# KiCad board 8851_HW-U1-VCU118_REV2-0_071417.kicad_pcb (continued)
## Routing (per net, layer and track width the routed paths; a pad name or vN(x,y) marks a point on that pad's centre or on a via; arc(x,y) is an arc through that point) (continued)
18.63,117.39 19.06,117.81 C866.2 19.44,117.81 19.69,117.56 v3(19.69,116.44) ; 122.79,152.09 v3(122.79,151.1) ; 6.42,157.91 6.42,157.27 v3(6.67,157.02) ; v3(161.69,27.5) 161.69,27.62 161.86,27.8 161.86,28.08 ; 93.03,111.05 93.24,111.05 v2(93.73,111.54) ; 51.25,49.36 51.25,48.73 51.94,48.04 v3(52.6,48.04) ; v2(121.3,70.71) 120.81,70.23 120.79,70.23 ; C1568.2 v3(150.75,40.92) ; 76.34,68.93 v1(76.73,69.33) ; 54.38,74.43 v3(54.38,73.78) ; 203.58,103.17 204.21,102.55 v3(204.21,101.78) ; C1395.2 150.62,118.09 v3(150.62,117.65) ; v3(9.15,117.59) 9,117.44 7.83,117.44 ; 73.97,48.76 v1(74.37,48.36) ; 77.12,68.15 v1(77.52,68.54) ; 78.7,91.17 v1(79.09,90.78) ; v3(145.08,109.65) 145.58,110.14 146.44,110.14 ; v2(75.12,121.23) 74.94,121.05 74.03,121.05 ; 11.61,156.13 v3(11.61,155.06) ; C7.2 v3(51.17,93.8) ; v1(152.32,72.2) 152.37,72.15 C1199.2 152.37,69.67 151.35,68.65 150.5,68.65 ; 222.82,38.55 223.67,38.55 223.77,38.64 225.31,38.64 v3(225.62,38.33) ; 148.97,58.2 v3(148.12,58.2) ; 20.37,156.13 v3(20.37,155) ; v3(23.36,168.95) 23.36,169.88 23.87,170.38 24.35,169.89 v3(24.35,168.95) ; v2(95.7,115.47) 95.27,115.05 C1282.2 ; C821.2 v3(10.49,139.5) ; R216.2 76.62,121.7 v2(77.09,121.23) ; 79.48,40.4 v1(79.88,40.79) ; 177.49,49.81 v3(177.49,50.5) ; C26.2 82.24,25.17 v3(82.24,24.73) ; v3(58.67,64.48) 58.08,63.89 58.08,62.72 ; 166,111.03 v3(164.45,111.03) ; 50.65,149.57 v3(50.65,148.58) ; 77.12,68.93 v1(77.52,69.33) ; 70.04,62.63 v1(69.64,62.24) ; 38.31,75 v3(37.5,75) ; 49.73,73.31 v3(50.58,73.31) ; v3(62.56,128.91) 62.56,129.83 62.21,130.17 62.13,130.17 61.73,129.77 v3(61.73,128.88) 61.58,129.03 v3(60.02,129.03) 60.02,130.17 ; MH3.1 129.25,24.73 ; MH3.1 126.6,23.7 ; MH3.1 125.57,21.05 ; MH3.1 129.25,17.37 ; MH3.1 126.6,18.4 ; v3(28.3,124.13) 29.51,124.13 29.92,124.54 29.46,125 v3(28.3,125) ; C522.2 v3(136.1,112.57) ; 12.69,117.82 v3(12.69,117.06) ; 126.04,152.09 v3(126.04,151.1) ; v3(124.82,107.22) 124.82,106.09 124.14,105.4 123.42,106.12 v3(123.42,107.22) ; 79.48,95.9 v1(79.88,96.29) ; 76.34,55.06 v1(76.73,55.45) ; 187.32,164.87 187.32,164.87 187.32,164.02 v3(187.03,163.73) ; 30.52,104.38 v3(30.52,103.65) ; v3(157.5,82.92) C908.2 v3(156.11,81.57) ; 70.82,55.06 v1(71.22,55.45) ; 79.48,41.18 v1(79.88,41.58) ; 70.04,76.51 v1(69.64,76.11) ; C1569.2 v3(150.75,43.92) ; C822.2 18.42,131.28 v6(18.41,131.27) ; v3(171.83,68.65) 172.14,68.34 C157.2 ; 214.56,52.72 214.56,53.02 v3(214.05,53.53) ; 164.06,94.73 v3(163.12,94.73) ; 70.04,34.88 v1(69.64,34.49) ; 22.55,137.39 v3(22.55,138.3) ; 141.1,20.81 v3(141.85,20.81) ; 148.97,61.15 v3(148.15,61.15) ; v3(202.64,55.42) 202.63,55.43 201.84,55.43 ; v3(13.58,170) 13.21,170.38 11.17,170.38 ; 50.72,146.75 v3(49.99,146.75) ; v3(38,143.48) 37.3,144.17 C82.2 ; 67.67,34.88 v1(67.28,34.49) ; 149.97,107.92 v3(151.25,107.92) ; C852.2 163.44,17.69 v3(162.95,18.19) ; v3(162.35,97.38) 162.4,97.43 162.4,98.14 ; v3(200.18,152.62) 200.43,152.88 200.43,153.45 ; Z96.2 v4(184.58,33.97) ; v3(149.01,120.94) 149.29,120.65 R1154.2 ; 67.67,90.38 v1(67.28,89.99) ; C116.2 34.51,136.68 v4(34.75,136.92) ; 73.97,34.88 v1(74.37,34.49) ; v5(46.2,48.22) 46.4,48.03 46.95,48.03 47.57,48.64 48.23,48.64 ; 79.48,82.02 v1(79.88,82.41) ; 199.79,158.49 v3(199.79,159.51) ; R134.2 v3(211.72,151.6) ; 148.97,57.17 v3(148.12,57.17) ; v1(152.32,59.11) 152.32,59.1 151.8,58.58 151.8,57.87 152.01,57.67 152.5,57.67 ; 145.98,107.92 v3(144.88,107.92) ; 7.05,139.29 v3(7.92,139.29) ; 49.03,149.57 v3(49.03,148.58) ; 108.55,99.42 v3(108.55,100.17) ; 134.18,103.59 134.18,104.77 v3(134.31,104.89) ; 25.87,171.1 27.98,171.1 ; 27.98,171.1 30.09,171.1 ; 27.98,171.1 26.43,169.56 ; v3(166.75,87.92) 166.75,86.91 167,86.66 167.75,87.41 v3(167.75,87.92) ; 53.25,75.42 v3(53.25,76.32) ; 14.76,167.52 v3(14.76,166.25) ; 126.62,30.81 126.62,30 v3(126.92,29.7) ; 47.96,136.17 47.34,136.17 v3(46.89,135.72) ; 53.25,74.43 v3(53.25,73.79) ; v3(116.73,103.23) 117.34,103.23 118.14,102.42 117.22,101.5 v3(116.75,101.5) ; 218.88,162.67 v3(218.88,161.9) ; v3(23.05,135.28) 22.62,134.84 22.35,134.84 ; R581.2 v3(136.09,113.82) ; 166,116.78 v3(164.64,116.78) ; 77.91,96.68 v1(78.3,97.08) ; 117.2,119.67 118.07,119.67 v3(118.1,119.7) ; R600.2 v3(142,113.82) ; v3(62.68,92.32) 61.91,92.32 C516.2 61.91,91.44 v3(62.68,91.44) ; C1246.2 91.5,106.33 v3(91.5,105.72) 91.77,105.99 92.25,105.99 ; 21.93,139.8 21.94,139.79 21.94,138.74 v6(21.56,138.36) ; C828.2 v3(12.9,139.5) ; 50.88,81.02 v3(50.88,80.05) ; v1(72,76.11) 72.4,76.51 ; C255.2 151.05,52.02 v1(152.32,50.75) ; 78.7,35.67 v1(79.09,35.28) ; v4(34.75,137.9) 34.65,137.8 C140.2 ; 77.12,40.4 v1(77.52,40.79) ; R1052.2 v3(50.83,122.12) ; 71.61,34.88 v1(71.22,34.49) ; 7.67,137.12 v3(8.56,137.12) ; 97.83,99.42 97.83,99.95 97.97,100.09 97.97,100.1 98.01,100.14 v3(98.01,100.19) ; 109.97,70.23 109.99,70.23 v2(110.47,70.71) ; 77.12,35.67 v1(77.52,35.28) ; 77.12,54.27 v1(77.52,54.66) ; v2(78.07,113.35) 78.16,113.44 78.16,114.18 ; 212.05,156.57 212.05,155.92 v3(211.87,155.74) ; R1141.2 83.88,114.07 v2(83.88,113.51) ; 77.12,41.18 v1(77.52,41.58) ; 216.05,156.57 v3(216.05,155.84) ; 119.54,152.09 v3(119.54,151.1) ; C1012.2 v3(121.94,155.7) ; 53.44,27.63 52.65,27.63 v3(52.61,27.59) ; C75.2 v3(56.27,137.63) ; 70.82,82.81 v1(71.22,83.2) ; C142.2 v3(30.11,132.55) ; C1643.2 v3(55.25,165.14) ; v3(162.57,53.84) 161.69,53.84 C1486.2 162.17,54.99 v3(162.57,54.99) ; v3(165.43,140.17) 166.19,140.17 ; v3(31.07,115.05) 31.25,114.88 31.25,114.17 ; 73.97,82.81 v1(74.37,83.2) ; v3(160.95,18.19) 160.32,17.57 160.32,17.22 ; v3(31.77,126.7) 32.25,127.18 32.25,127.5 ; C1203.2 164.87,86.02 v1(164.92,86.07) ; 77.12,63.42 v1(77.52,63.03) ; v3(139.83,106.62) 140.27,106.62 140.98,105.91 140.49,105.42 v3(139.84,105.42) ; C6.1 35.75,85.67 35.5,85.42 v3(35.5,85.05) 35.5,83.83 ; v2(120.31,56.93) 120.8,56.45 120.8,56.43 ; 176.56,56.61 v3(177.93,56.61) ; C40.2 v3(35.58,68.91) ; 73.97,90.38 v1(74.37,89.99) ; 75.55,48.76 v1(75.94,48.36) ; 158.65,99.13 v3(158.65,99.83) ; 77.12,77.3 v1(77.52,76.9) ; v1(72,48.36) 72.4,48.76 ; 40.22,94.05 v3(38.98,94.05) ; 9.18,157.91 v3(9.18,157.15) ; 131.41,152.09 v3(131.41,151.1) ; 72.4,68.93 v1(72.79,69.33) ; 30.77,82.29 v3(31.99,82.29) ; 71.61,62.63 v1(71.22,62.24) ; C11.1 v3(34.62,87.05) ; 226.87,103.13 v3(226.87,102.43) ; 123.04,163.87 v3(123.91,163.87) ; 143.39,18.27 v3(145.35,18.27) ; 141.1,21.79 v3(141.85,21.79) ; 77.12,49.55 v1(77.52,49.15) ; 73.97,68.93 v1(74.37,69.33) ; 73.19,55.06 v1(73.58,55.45) ; 77.12,95.9 v1(77.52,96.29) ; v1(72,89.99) 72.4,90.38 ; 92.83,99.42 92.83,100.08 v3(92.92,100.17) ; 110,167.67 v3(110,168.37) ; 76.34,41.18 v1(76.73,41.58) ; 61.4,23.64 v3(60.6,23.64) ; 79.48,63.42 v1(79.88,63.03) ; 121.16,152.09 v3(121.16,151.1) ; 220.63,162.79 v3(220.63,162.08) ; C1462.2 C160.2 150.38,46.42 v3(150.75,46.8) ; R69.2 v3(44.37,133.3) ; 107.02,99.42 v3(107.02,100.17) ; 167.5,69.66 v3(167.5,70.42) 167.5,71.32 167,71.82 166.38,71.19 v3(166.38,70.42) 166.38,69.78 167,69.16 167.5,69.66
  BOTTOM w0.5: J32.3 56.8,106.18 ; J32.3 54.25,106.18 ; J32.3 53.79,107.45 ; J32.3 55.53,105.72 ; J32.3 57.26,107.45 ; J32.3 56.8,108.73 ; J32.3 55.53,109.19 ; J31.3 16.43,96.98 ; J31.3 16.89,95.7 ; J31.3 15.15,97.44 ; J31.3 13.87,96.98 ; J31.3 13.41,95.7 ; J31.3 13.87,94.43 ; J31.3 16.43,94.43 ; J31.3 15.15,93.97 ; 59.25,94.43 J33.5 ; J33.5 59.25,96.98 ; J33.5 61.8,96.98 ; J33.5 62.26,95.7 ; J33.5 58.79,95.7 ; J33.5 60.53,97.44 ; 25.62,101.98 J30.2 ; J30.2 28.18,99.43 ; J30.2 28.18,101.98 ; J30.2 25.16,100.7 ; J30.2 28.64,100.7 ; J30.2 26.9,98.97 ; J30.2 25.62,99.43 ; J35.5 75.01,127.45 ; J35.5 71.54,127.45 ; J35.5 72,128.73 ; J35.5 74.55,128.73 ; J33.3 57.26,95.7 ; J33.3 54.25,96.98 ; J33.3 56.8,96.98 ; J33.3 55.53,97.44 ; J33.3 56.8,94.43 ; 189.45,26.72 190.13,26.72 190.7,27.29 ; 78.75,128.73 J34.3 ; J34.3 81.3,128.73 ; J34.3 78.29,127.45 ; J34.3 81.76,127.45 ; J34.2 81.3,133.73 ; J34.2 81.76,132.45 ; J34.2 78.29,132.45 ; J34.2 80.03,134.19 ; J34.2 78.75,133.73 ; 59.25,99.43 J33.4 ; J33.4 59.25,101.98 ; J33.4 58.79,100.7 ; J33.4 61.8,101.98 ; J33.4 62.26,100.7 ; J33.4 60.53,98.97 ; J33.4 61.8,99.43 ; 25.62,94.43 J30.3 ; J30.3 28.18,94.43 ; J30.3 25.62,96.98 ; J30.3 26.9,97.44 ; J30.3 25.16,95.7 ; J30.3 26.9,93.97 ; J30.3 28.18,96.98 ; J30.3 28.64,95.7 ; 30.16,100.7 J30.4 ; J30.4 31.9,98.97 ; J30.4 33.18,99.43 ; J30.4 30.62,101.98 ; J30.4 30.62,99.43 ; 54.25,111.18 J32.2 ; J32.2 57.26,112.45 ; J32.2 56.8,113.73 ; J32.2 55.53,110.72 ; J32.2 55.53,114.19 ; J32.2 54.25,113.73 ; J32.2 56.8,111.18 ; 18.41,100.7 J31.4 ; J31.4 18.87,99.43 ; J31.4 21.89,100.7 ; J31.4 21.43,99.43 ; J31.4 20.15,98.97 ; J31.4 18.87,101.98 ; J31.4 21.43,101.98 ; J33.2 56.8,99.43 ; J33.2 54.25,99.43 ; J33.2 54.25,101.98 ; J33.2 53.79,100.7 ; J33.2 57.26,100.7 ; J33.2 55.53,102.44 ; J33.2 56.8,101.98 ; J33.2 55.53,98.97 ; J35.2 69.55,133.73 ; J35.2 70.01,132.45 ; J35.2 68.28,134.19 ; 83.29,127.45 J34.5 ; J34.5 83.75,126.18 ; J34.5 85.03,125.72 ; J34.5 86.76,127.45 ; J34.5 86.3,126.18 ; J32.5 61.8,108.73 ; J32.5 58.79,107.45 ; J32.5 59.25,108.73 ; J32.5 60.53,109.19 ; J32.4 61.8,113.73 ; J32.4 58.79,112.45 ; J32.4 60.53,114.19 ; J32.4 60.53,110.72 ; J32.4 59.25,111.18 ; J32.4 59.25,113.73 ; J32.4 61.8,111.18 ; 13.87,99.43 J31.2 ; J31.2 16.43,101.98 ; J31.2 16.43,99.43 ; J31.2 16.89,100.7 ; J31.2 15.15,98.97 ; J34.4 85.03,134.19 ; J34.4 86.3,133.73 ; J34.4 86.76,132.45 ; J34.4 83.75,133.73 ; J34.4 83.29,132.45 ; J30.5 31.9,97.44 ; J30.5 30.62,96.98 ; J30.5 33.18,96.98 ; J30.5 31.9,93.97 ; J30.5 30.62,94.43 ; J30.5 30.16,95.7 ; J35.4 74.55,133.73 ; J35.4 71.54,132.45 ; J35.4 75.01,132.45 ; J35.4 72,133.73 ; J35.4 73.28,134.19 ; 18.87,94.43 J31.5 ; J31.5 20.15,97.44 ; J31.5 20.15,93.97 ; J31.5 21.43,96.98 ; J31.5 21.43,94.43 ; J31.5 21.89,95.7 ; J31.5 18.41,95.7 ; J31.5 18.87,96.98
  BOTTOM w0.75: 190.7,27.29 191.9,27.29 191.95,27.35 ; v3(191.95,27.72) 191.95,27.35 ; 191.95,27.35 v3(191.95,26.97)
  vias: v1(67.28,91.56) v1(67.28,81.63) v1(67.28,77.69) v1(67.28,67.75) v1(67.28,63.81) v1(67.28,53.88) v1(67.28,40) v1(67.28,36.06) v1(68.07,95.5) v1(68.07,91.56) v1(68.07,81.63) v1(68.07,77.69) v1(68.07,67.75) v1(68.07,63.81) v1(68.07,53.88) v1(68.07,49.94) v1(68.07,40) v1(68.07,36.06) v1(68.86,95.5) v1(68.86,91.56) v1(68.86,81.63) v1(68.86,77.69) v1(68.86,67.75) v1(68.86,63.81) v1(68.86,53.88) v1(68.86,49.94) v1(68.86,40) v1(68.86,36.06) v1(69.64,95.5) v1(69.64,91.56) v1(69.64,81.63) v1(69.64,77.69) v1(69.64,67.75) v1(69.64,63.81) v1(69.64,53.88) v1(69.64,49.94) v1(69.64,40) v1(69.64,36.06) v1(72.79,95.5) v1(72.79,81.63) v1(72.79,67.75) v1(72.79,53.88) v1(72.79,40) v1(73.58,95.5) v1(73.58,81.63) v1(73.58,77.69) v1(73.58,67.75) v1(73.58,63.81) v1(73.58,53.88) v1(73.58,40) v1(74.37,95.5) v1(74.37,91.56) v1(74.37,81.63) v1(74.37,77.69) v1(74.37,67.75) v1(74.37,63.81) v1(74.37,53.88) v1(74.37,49.94) v1(74.37,40) v1(74.37,36.06) v1(76.73,91.56) v1(76.73,77.69) v1(76.73,63.81) v1(76.73,49.94) v1(76.73,36.06) v1(77.52,95.5) v1(77.52,91.56) v1(77.52,81.63) v1(77.52,77.69) v1(77.52,67.75) v1(77.52,63.81) v1(77.52,53.88) v1(77.52,49.94) v1(77.52,40) v1(77.52,36.06) v1(78.3,95.5) v1(78.3,91.56) v1(78.3,81.63) v1(78.3,77.69) v1(78.3,67.75) v1(78.3,63.81) v1(78.3,53.88) v1(78.3,49.94) v1(78.3,40) v1(78.3,36.06) v1(79.09,95.5) v1(79.09,91.56) v1(79.09,81.63) v1(79.09,77.69) v1(79.09,67.75) v1(79.09,63.81) v1(79.09,53.88) v1(79.09,49.94) v1(79.09,40) v1(79.09,36.06) v1(79.88,95.5) v1(79.88,91.56) v1(79.88,81.63) v1(79.88,77.69) v1(79.88,67.75) v1(79.88,63.81) v1(79.88,53.88) v1(79.88,49.94) v1(79.88,40) v1(79.88,36.06) v1(80.67,40.79) v1(80.67,40) v1(80.67,36.85) v1(80.67,36.06) v1(152.32,91.58) v1(152.32,87.65) v1(152.32,77.71) v1(152.32,63.83) v1(152.32,59.9) v1(152.32,49.96) v1(152.32,46.02) v1(152.32,35.83) v1(152.32,31.9) v1(153.11,91.58) v1(153.11,87.65) v1(153.11,77.71) v1(153.11,73.77) v1(153.11,63.83) v1(153.11,59.9) v1(153.11,49.96) v1(153.11,46.02) v1(153.11,35.83) v1(153.11,31.9) v1(153.9,91.58) v1(153.9,87.65) v1(153.9,77.71) v1(153.9,73.77) v1(153.9,63.83) v1(153.9,59.9) v1(153.9,49.96) v1(153.9,46.02) v1(153.9,35.83) v1(153.9,31.9) v1(154.68,91.58) v1(154.68,87.65) v1(154.68,77.71) v1(154.68,73.77) v1(154.68,63.83) v1(154.68,59.9) v1(154.68,49.96) v1(154.68,46.02) v1(154.68,35.83) v1(154.68,31.9) v1(157.83,91.58) v1(157.83,87.65) v1(157.83,77.71) v1(157.83,73.77) v1(157.83,63.83) v1(157.83,59.9) v1(157.83,49.96) v1(157.83,46.02) v1(157.83,35.83) v1(157.83,31.9) v1(158.62,91.58) v1(158.62,87.65) v1(158.62,77.71) v1(158.62,73.77) v1(158.62,63.83) v1(158.62,59.9) v1(158.62,49.96) v1(158.62,46.02) v1(158.62,35.83) v1(158.62,31.9) v1(159.41,91.58) v1(159.41,77.71) v1(159.41,63.83) v1(159.41,49.96) v1(159.41,35.83) v1(161.77,87.65) v1(161.77,73.77) v1(161.77,59.9) v1(161.77,46.02) v1(161.77,31.9) v1(162.56,91.58) v1(162.56,87.65) v1(162.56,77.71) v1(162.56,73.77) v1(162.56,63.83) v1(162.56,59.9) v1(162.56,49.96) v1(162.56,46.02) v1(162.56,35.83) v1(162.56,31.9) v1(163.34,91.58) v1(163.34,87.65) v1(163.34,77.71) v1(163.34,73.77) v1(163.34,63.83) v1(163.34,59.9) v1(163.34,49.96) v1(163.34,46.02) v1(163.34,35.83) v1(163.34,31.9) v1(164.13,91.58) v1(164.13,87.65) v1(164.13,77.71) v1(164.13,73.77) v1(164.13,63.83) v1(164.13,59.9) v1(164.13,49.96) v1(164.13,46.02) v1(164.13,35.83) v1(164.13,31.9) v1(164.92,91.58) v1(164.92,87.65) v1(164.92,77.71) v1(164.92,73.77) v1(164.92,63.83) v1(164.92,59.9) v1(164.92,49.96) v1(164.92,46.02) v1(164.92,35.83) v1(164.92,31.9) v2(99.59,114.49) v2(145.23,141.95) v2(145.86,140.2) v2(145.86,139.2) v2(145.86,138.2) v2(146.36,140.2) v2(146.86,141.2) v2(146.86,140.2) v2(146.86,139.2) v2(146.86,138.2) v2(147.36,141.2) v2(147.36,140.2) v2(147.36,139.2) v2(147.36,138.2) v2(184.53,61.56) v2(184.53,61.06) v2(184.53,60.56) v2(184.53,60.06) v2(185.53,61.56) v2(185.53,61.06) v2(185.53,60.56) v2(185.53,60.06) v2(186.53,61.56) v2(186.53,61.06) v2(186.53,60.56) v2(186.53,60.06) v2(187.53,61.56) v2(187.53,61.06) v2(187.53,60.56) v2(187.53,60.06) v2(210.46,99.12) v2(210.44,88.82) v2(210.58,119.5) v2(210.58,109.25) v2(211.21,117.25) v2(211.21,116.25) v2(211.21,115.25) v2(211.21,107) v2(211.21,106) v2(211.21,105) v2(211.21,96.75) v2(211.21,95.75) v2(211.21,94.75) v2(211.21,86.5) v2(211.21,85.5) v2(211.21,84.5) v2(211.83,117.25) v2(211.83,107) v2(211.83,96.75) v2(211.83,86.5) v2(212.46,118.25) v2(212.46,117.25) v2(212.46,116.25) v2(212.46,115.25) v2(212.46,108) v2(212.46,107) v2(212.46,106) v2(212.46,105) v2(212.46,97.75) v2(212.46,96.75) v2(212.46,95.75) v2(212.46,94.75) v2(212.46,87.5) v2(212.46,86.5) v2(212.46,85.5) v2(212.46,84.5) v2(216.58,104.87) v2(216.58,102.37) v2(216.66,94.62) v2(216.68,84.37) v2(220.46,117) v2(220.46,110.75) v2(220.46,106.75) v2(220.46,100.5) v2(220.46,96.5) v2(220.46,90.25) v2(220.46,86.25) v2(220.46,80) v2(220.76,103.67) v2(221.08,113.87) v2(221.03,93.37) v2(221.08,83.12) v2(221.58,103.62) v2(221.71,117) v2(221.71,113.87) v2(221.71,110.75) v2(221.71,106.75) v2(221.71,100.5) v2(221.71,96.5) v2(221.68,93.37) v2(221.71,90.25) v2(221.71,86.25) v2(221.71,83.12) v2(221.71,80) v2(222.33,116.37) v2(222.33,115.12) v2(222.33,113.87) v2(222.33,112.62) v2(222.33,111.37) v2(222.33,106.12) v2(222.33,104.87) v2(222.33,103.62) v2(222.33,102.37) v2(222.33,101.12) v2(222.33,95.87) v2(222.33,94.62) v2(222.33,93.37) v2(222.33,92.12) v2(222.33,90.87) v2(222.33,85.62) v2(222.33,84.37) v2(222.33,83.12) v2(222.33,81.87) v2(222.33,80.62) v3(0.94,169.94) v3(0.94,167.44) v3(0.94,157.44) v3(0.94,154.94) v3(0.94,152.44) v3(0.94,149.94) v3(0.94,147.44) v3(0.94,144.94) v3(0.94,142.44) v3(0.94,139.94) v3(0.94,137.44) v3(0.94,134.94) v3(0.94,132.44) v3(0.94,129.94) v3(0.94,127.44) v3(0.94,124.94) v3(0.94,122.44) v3(0.94,119.94) v3(0.94,117.44) v3(0.94,114.94) v3(0.94,112.44) v3(0.94,109.94) v3(0.94,107.44) v3(0.94,104.94) v3(0.94,102.44) v3(0.94,99.94) v3(0.94,97.44) v3(0.94,94.94) v3(0.94,92.44) v3(0.94,89.94) v3(0.94,76.19) v3(0.94,62.44) v3(0.94,59.94) v3(0.94,57.44) v3(0.94,54.94) v3(0.94,52.44) v3(0.94,49.94) v3(0.94,47.44) v3(0.94,44.94) v3(0.94,42.44) v3(0.94,39.94) v3(0.94,37.44) v3(0.94,34.94) v3(0.94,32.44) v3(0.94,29.94) v3(0.94,27.44) v3(0.94,24.94) v3(0.94,22.44) v3(0.94,19.94) v3(0.94,17.44) v3(0.94,14.94) v3(0.94,12.44) v3(0.94,9.94) v3(0.94,7.44) v3(1.92,172.24) v3(2.29,5.34) v3(4.42,172.24) v3(4.79,5.34) v3(6.92,172.24) v3(6.92,163.02) v3(7.29,5.34) v3(9.42,172.24) v3(9.79,5.34) v3(11.92,172.24) v3(12.29,5.34) v3(13.84,12.3) v3(13.84,9.8) v3(13.84,7.3) v3(14.42,172.24) v3(15.15,67.47) v3(16.05,13.46) v3(16.65,67.47) v3(16.65,65.97) v3(16.92,172.24) v3(17.18,82.83) v3(17.18,81.52) v3(17.23,77.3) v3(17.25,80.25) v3(17.25,79.05) v3(18.55,13.46) v3(19.42,172.24) v3(21.05,13.46) v3(21.38,147.43) v3(21.38,146.55) v3(21.92,172.24) v3(22.08,100.18) v3(23.55,13.46) v3(24.42,172.24) v3(24.97,100.18) v3(25.25,130.43) v3(25.75,130.93) v3(26.05,13.46) v3(26.25,130.43) v3(28.55,13.46) v3(31.05,13.46) v3(31.25,109.2) v3(31.92,172.24) v3(33.55,13.46) v3(34.42,172.24) v3(34.83,88.35) v3(35.63,88.35) v3(36.92,172.24) v3(37.65,118.5) v3(38.57,61.57) v3(39,118.92) v3(39,118.17) v3(39.42,172.24) v3(39.95,61.57) v3(40.05,71.69) v3(40.05,69.96) v3(40.05,68.31) v3(40.05,57.05) v3(40.05,43.8) v3(40.05,31.88) v3(40.05,18.63) v3(40.93,57.05) v3(40.93,31.88) v3(41.18,43.8) v3(41.18,18.63) v3(41.42,71.69) v3(41.42,69.96) v3(41.42,68.31) v3(41.33,61.92) v3(41.93,57.05) v3(41.93,31.88) v3(42.3,43.8) v3(42.3,18.63) v3(42.99,13.44) v3(43.06,63.3) v3(43.06,61.92) v3(44.05,61.8) v3(44.3,113.08) v3(44.28,101.05) v3(44.25,99.39) v3(44.48,69) v3(44.88,114.33) v3(44.98,51.48) v3(45.28,101.05) v3(45.25,99.39) v3(45.41,134.73) v3(45.38,113.52) v3(45.77,114.6) v3(45.85,69) v3(46.15,135.22) v3(46.27,61.8) v3(46.92,172.24) v3(46.89,134.73) v3(47.05,116.9) v3(47.05,116.02) v3(47.79,61.73) v3(48.83,67.52) v3(49.42,172.24) v3(49.53,63.11) v3(49.53,61.73) v3(50.57,67.52) v3(50.57,66.14) v3(51.92,172.24) v3(54.42,172.24) v3(55.53,130.97) v3(55.53,129.99) v3(56.05,105.52) v3(56.05,102.64) v3(56.27,130.48) v3(56.92,172.24) v3(57.01,130.97) v3(57.01,129.99) v3(56.99,126.02) v3(56.99,124.9) v3(56.99,123.77) v3(58.23,14) v3(59.42,172.24) v3(60.93,87.39) v3(60.93,85.91) v3(61.18,14) v3(61.17,11.23) v3(61.17,8.27) v3(61.25,117.01) v3(61.92,172.24) v3(61.91,85.91) v3(62.18,17.74) v3(62.18,14) v3(64.42,172.24) v3(64.47,142.43) v3(65.13,17.74) v3(65.13,14) v3(66.09,11.23) v3(66.09,8.27) v3(66.48,20.99) v3(66.48,17.25) v3(66.92,172.24) v3(68.06,5.9) v3(68.42,142.24) v3(69,142.64) v3(69.42,172.24) v3(69.43,20.99) v3(69.43,17.25) v3(69.43,13.52) v3(70.03,11.23) v3(70.03,8.27) v3(70.03,5.9) v3(71.92,172.24) v3(72,5.9) v3(72.38,17.25) v3(72.38,13.52) v3(73.73,19.74) v3(73.73,16) v3(73.97,11.23) v3(73.97,8.27) v3(74.42,172.24) v3(76.68,19.74) v3(76.68,16) v3(76.92,172.24) v3(77.9,11.23) v3(77.9,8.27) v3(78.78,17.62) v3(78.78,13.88) v3(79.42,172.24) v3(81.74,17.62) v3(81.74,13.88) v3(81.92,172.24) v3(81.84,11.23) v3(81.84,8.27) v3(81.84,5.9) v3(82.24,23.73) v3(82.24,22.73) v3(82.24,21.73) v3(83.12,18.74) v3(83.12,15.33) v3(83.24,24.73) v3(83.24,23.73) v3(83.24,22.73) v3(83.24,21.73) v3(83.81,5.9) v3(84.24,24.73) v3(84.24,23.73) v3(84.24,22.73) v3(84.42,172.24) v3(85.24,23.73) v3(85.78,11.23) v3(85.78,8.27) v3(85.78,5.9) v3(86.07,18.74) v3(86.07,15.33) v3(86.92,172.24) v3(87.41,17.49) v3(87.41,13.75) v3(87.73,27.59) v3(87.75,5.9) v3(88.71,27.59) v3(89.42,172.24) v3(89.71,11.23) v3(89.71,8.27) v3(89.71,5.9) v3(90.36,17.49) v3(90.36,13.75) v3(91.69,19.31) v3(91.69,15.58) v3(91.92,172.24) v3(94.42,172.24) v3(94.64,19.31) v3(94.64,15.58) v3(94.64,11.23) v3(94.64,8.27) v3(96.11,19.31) v3(96.11,15.58) v3(96.92,172.24) v3(98.57,11.23) v3(98.57,8.27) v3(98.57,5.9) v3(99.07,19.31) v3(99.07,15.58) v3(99.19,32.36) v3(99.42,172.24) v3(100.05,17.74) v3(100.05,14) v3(100.26,32.37) v3(100.54,5.9) v3(101.62,32.42) v3(101.92,172.24) v3(102.51,11.23) v3(102.51,8.27) v3(102.51,5.9) v3(102.7,32.37) v3(103,17.74) v3(103,14) v3(103.97,101.29) v3(103.99,19.44) v3(103.99,15.7) v3(104.42,172.24) v3(104.48,5.9) v3(106.45,11.23) v3(106.45,8.27) v3(106.45,5.9) v3(106.92,172.24) v3(106.94,19.44) v3(106.94,15.7) v3(107.92,17.74) v3(107.92,14) v3(108.42,5.9) v3(109.42,172.24) v3(110.38,11.23) v3(110.38,8.27) v3(110.38,5.9) v3(110.88,17.74) v3(110.88,14) v3(111.92,172.24) v3(111.86,19.44) v3(111.86,15.7) v3(112.35,5.9) v3(114.32,11.23) v3(114.32,8.27) v3(114.32,5.9) v3(114.42,172.24) v3(114.81,19.44) v3(114.81,15.7) v3(115.8,17.74) v3(115.8,14) v3(116.29,5.9) v3(116.92,172.24) v3(118.26,11.23) v3(118.26,8.27) v3(118.26,5.9) v3(118.75,17.74) v3(118.75,14) v3(119.42,172.24) v3(120.23,5.9) v3(120.61,19.44) v3(120.61,15.7) v3(121.92,172.24) v3(122.19,11.23) v3(122.19,8.27) v3(122.19,5.9) v3(123.56,19.44) v3(123.56,15.7) v3(123.67,17.74) v3(123.67,14) v3(124.42,172.24) v3(126.63,17.74) v3(126.63,14) v3(126.92,172.24) v3(127.38,130.3) v3(127.38,129.22) v3(128.1,129.22) v3(128.82,129.22) v3(129.42,172.24) v3(131.92,172.24) v3(132.47,118.63) v3(132.47,117.88) v3(134.42,172.24) v3(135.1,110.95) v3(135.72,111.3) v3(135.7,110.6) v3(136.92,172.24) v3(137.32,28.68) v3(138.07,28.68) v3(138.26,27.88) v3(138.82,28.68) v3(139.42,172.24) v3(141.92,172.24) v3(143.54,102.48) v3(144.28,101.98) v3(144.42,172.24) v3(145.02,102.48) v3(145.02,101.49) v3(146.35,126.62) v3(146.55,127.35) v3(146.92,172.24) v3(147.6,126.84) v3(147.64,127.72) v3(149.42,172.24) v3(151.92,172.24) v3(153.8,117.72) v3(153.8,116.85) v3(154.1,118.83) v3(154.42,172.24) v3(154.85,119.96) v3(155.6,118.96) v3(155.97,119.96) v3(156.49,130.35) v3(156.92,172.24) v3(157.1,130.84) v3(158.62,100.92) v3(159.42,172.24) v3(159.38,100.92) v3(160.95,20.19) v3(160.95,19.19) v3(161.92,172.24) v3(161.92,116.97) v3(161.92,116.22) v3(161.92,115.35) v3(161.95,20.19) v3(161.95,19.19) v3(161.95,18.19) v3(163.3,111.1) v3(163.3,110.1) v3(164.42,172.24) v3(166.5,31.2) v3(166.92,172.24) v3(167.22,31.38) v3(167.57,52.8) v3(167.55,52.1) v3(168.5,62.3) v3(168.5,61.55) v3(168.5,60.8) v3(169.42,172.24) v3(171.92,172.24) v3(172.28,70.42) v3(172.28,69.3) v3(174.03,70.42) v3(174.03,69.3) v3(174.25,61.61) v3(174.25,60.74) v3(174.25,59.86) v3(174.42,172.24) v3(175.03,128.43) v3(176.03,128.43) v3(176.92,172.24) v3(179.42,172.24) v3(180.28,129.8) v3(181.16,129.8) v3(181.59,137.7) v3(181.92,172.24) v3(181.91,129.8) v3(182.37,20.56) v3(182.59,19.56) v3(182.59,18.56) v3(182.66,137.93) v3(182.9,30.68) v3(182.93,31.7) v3(183.37,20.56) v3(183.59,19.56) v3(183.59,18.56) v3(183.91,137.68) v3(184.03,136.18) v3(184.42,172.24) v3(184.57,19.52) v3(184.53,18.6) v3(185.03,136.93) v3(185.03,135.8) v3(186.92,172.24) v3(187.38,18.54) v3(188.26,18.54) v3(189.42,172.24) v3(190.35,54.15) v3(190.35,53.4) v3(191.22,68.08) v3(191.22,67.08) v3(191.22,66.08) v3(191.22,54.16) v3(191.22,53.41) v3(191.92,172.24) v3(192.38,151.18) v3(192.38,149.93) v3(193.62,151.18) v3(193.62,149.93) v3(194.42,172.24) v3(196.31,13.46) v3(196.92,172.24) v3(198.81,13.46) v3(199.42,172.24) v3(201.31,13.46) v3(201.72,63.05) v3(201.72,61.92) v3(201.92,172.24) v3(202.72,62.67) v3(202.84,61.17) v3(203.81,13.46) v3(204.09,60.92) v3(204.42,172.24) v3(204.97,60.92) v3(205.59,69.05) v3(206.31,13.46) v3(206.47,69.05) v3(206.92,172.24) v3(208.81,13.46) v3(209.42,172.24) v3(209.78,40.3) v3(210.72,70.42) v3(210.78,40.3) v3(211.31,13.46) v3(211.72,70.42) v3(211.92,172.24) v3(213.81,13.46) v3(214.42,172.24) v3(215.03,41.68) v3(215.91,41.68) v3(216.31,13.46) v3(216.53,49.8) v3(216.92,172.24) v3(217.41,49.8) v3(218.66,49.55) v3(218.72,48.67) v3(218.72,47.72) v3(218.81,13.46) v3(219.42,172.24) v3(219.78,47.47) v3(221.31,13.46) v3(221.92,172.24) v3(223.5,92.92) v3(223.5,92.05) v3(223.5,91.05) v3(223.81,13.46) v3(224.42,172.24) v3(224.5,92.92) v3(224.5,92.05) v3(224.5,91.05) v3(225.5,92.92) v3(225.5,92.05) v3(225.5,91.05) v3(226.31,13.46) v3(226.5,92.05) v3(226.5,91.05) v3(226.92,172.24) v3(228.81,13.46) v3(229.42,172.24) v3(231.22,54.8) v3(231.25,56.5) v3(231.92,172.24) v3(232.15,56.47) v3(232.12,54.78) v3(234.42,172.24) v3(236.31,13.46) v3(236.56,170.95) v3(236.56,168.45) v3(236.56,165.95) v3(236.56,158.45) v3(236.56,155.95) v3(236.56,153.45) v3(236.56,150.95) v3(236.56,145.95) v3(236.56,143.45) v3(236.56,140.95) v3(236.56,138.45) v3(236.56,135.95) v3(236.56,133.45) v3(236.56,130.95) v3(236.56,128.45) v3(236.56,125.95) v3(236.56,123.45) v3(236.56,120.95) v3(236.56,118.45) v3(236.56,115.95) v3(236.56,113.45) v3(236.56,110.95) v3(236.56,98.45) v3(236.56,95.95) v3(236.56,93.45) v3(236.56,90.95) v3(236.56,88.45) v3(236.56,85.95) v3(236.56,83.45) v3(236.56,80.95) v3(236.56,78.45) v3(236.56,75.95) v3(236.56,73.45) v3(236.56,70.95) v3(236.56,68.45) v3(236.56,65.95) v3(236.56,63.45) v3(236.56,60.95) v3(236.56,58.45) v3(236.56,55.95) v3(236.56,53.45) v3(236.56,50.95) v3(236.56,48.45) v3(236.56,45.95) v3(236.56,43.45) v3(236.56,40.95) v3(236.56,38.45) v3(236.56,35.95) v3(236.56,33.45) v3(236.56,30.95) v3(236.56,28.45) v3(236.56,23.45) v3(236.56,20.95) v3(236.56,18.45) v3(236.56,15.95) v4(35.73,138.88) v4(35.73,137.9) v4(35.73,136.92) v4(36.71,137.9) v4(36.71,136.92) v4(141.23,128.59) v4(157.13,139.47) v4(157.13,138.47) v4(157.13,136.72) v4(157.13,135.6) v4(169.64,90.55) v4(169.64,88.55) v4(169.64,86.55) v4(170.51,103.55) v4(170.51,89.55) v4(170.51,87.55) v4(170.51,85.55) v4(171.51,108.55) v4(171.51,106.42) v4(171.51,104.42) v4(171.51,102.55) v4(171.51,98.55) v4(171.51,96.55) v4(171.51,94.55) v4(171.51,92.55) v4(171.51,90.55) v4(171.51,88.55) v4(171.51,86.55) v4(171.51,84.55) v4(171.51,82.42) v4(172.51,109.55) v4(172.51,107.55) v4(172.51,105.3) v4(172.51,103.55) v4(172.51,97.55) v4(172.51,95.55) v4(172.51,93.55) v4(172.51,91.55) v4(172.51,83.55) v4(172.51,81.3) v4(173.51,108.55) v4(173.51,106.42) v4(173.51,104.42) v4(173.51,102.55) v4(173.51,98.55) v4(173.51,96.55) v4(173.51,94.55) v4(173.51,92.55) v4(173.51,84.55) v4(173.51,82.42) v4(179.69,48.6) v4(180.82,48.6) v4(182.32,47.54) v4(182.57,48.6) v4(183.32,47.54) v4(183.57,48.6) v4(193.45,42.37) v4(193.45,41.12) v4(193.45,39.87) v4(193.45,38.62) v4(193.43,37.39) v4(193.43,36.12) v4(193.43,34.87) v4(193.43,33.62) v4(193.43,32.37) v4(193.43,31.12) v4(193.43,29.87) v4(193.43,28.62) v4(193.43,27.37) v4(193.43,26.12) v4(193.43,24.87) v4(193.43,23.62) v4(193.43,22.37) v4(194.7,42.37) v4(194.7,41.12) v4(194.7,39.87) v4(194.7,38.62) v4(194.68,37.39) v4(194.68,36.12) v4(194.68,34.87) v4(194.68,33.62) v4(194.68,32.37) v4(194.68,31.12) v4(194.68,29.87) v4(194.68,28.62) v4(194.68,27.37) v4(194.68,26.12) v4(194.68,24.87) v4(194.68,23.62) v4(194.68,22.37) v5(44.81,56.11) v5(44.81,53.75) v5(44.81,46.66) v5(44.81,44.3) v5(44.81,30.94) v5(44.81,28.57) v5(44.81,21.49) v5(44.81,19.13) v5(46.49,56.11) v5(46.49,53.75) v5(46.49,46.66) v5(46.49,44.3) v5(46.49,30.94) v5(46.49,28.57) v5(46.49,21.49) v5(46.49,19.13) v5(54.82,46.85) v5(54.82,44.49) v5(54.82,21.68) v5(54.82,19.07) v5(55.21,54.05) v5(55.21,28.88) v5(56.5,46.85) v5(56.5,44.49) v5(56.5,21.68) v5(56.5,19.07) v5(56.89,54.05) v5(56.89,28.88) v5(57.47,56.26) v5(57.47,31.09) v7(75.15,128.75) v7(78.15,128.75)
